# KiCad board dilemma.kicad_pcb
title: dilemma; rev: 2; company: bastardkb
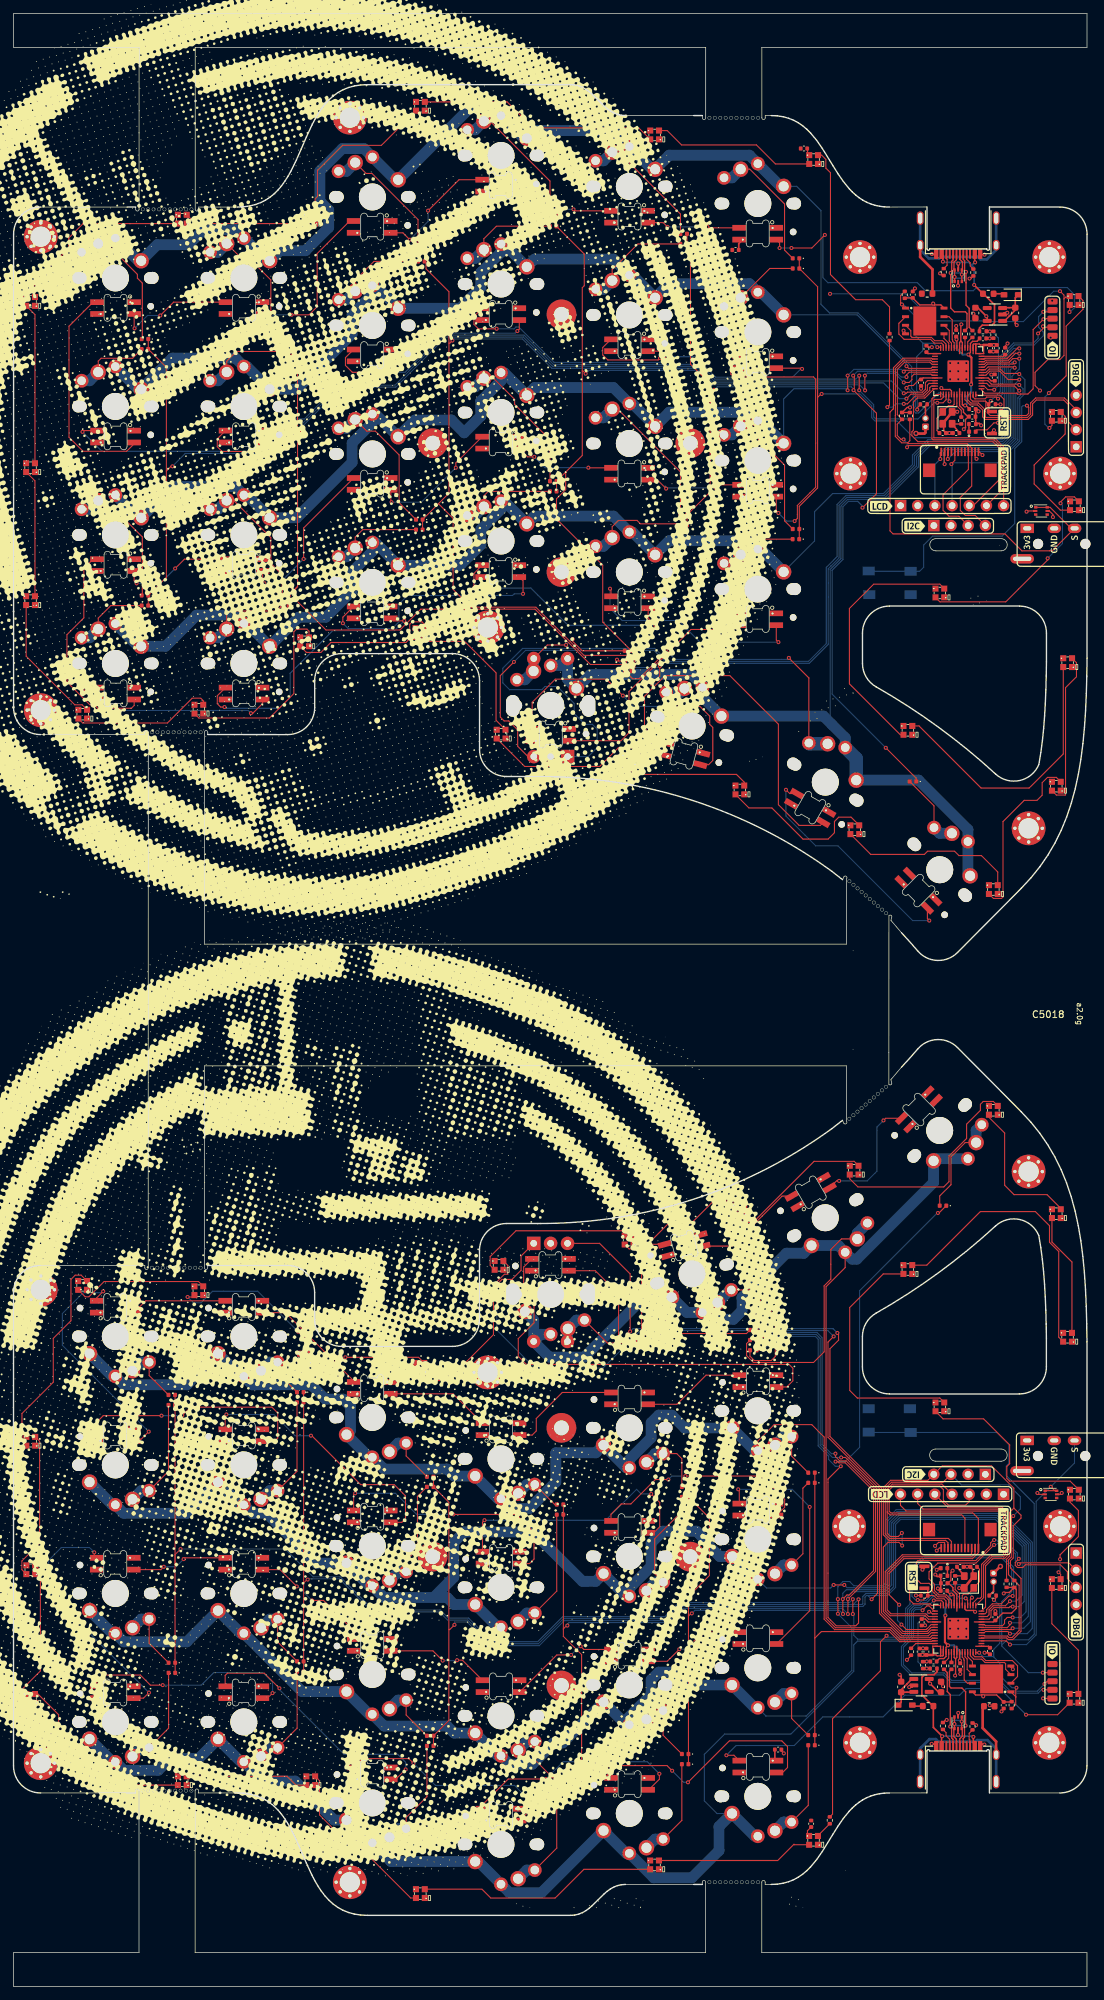
[diagram p0: board, top side]
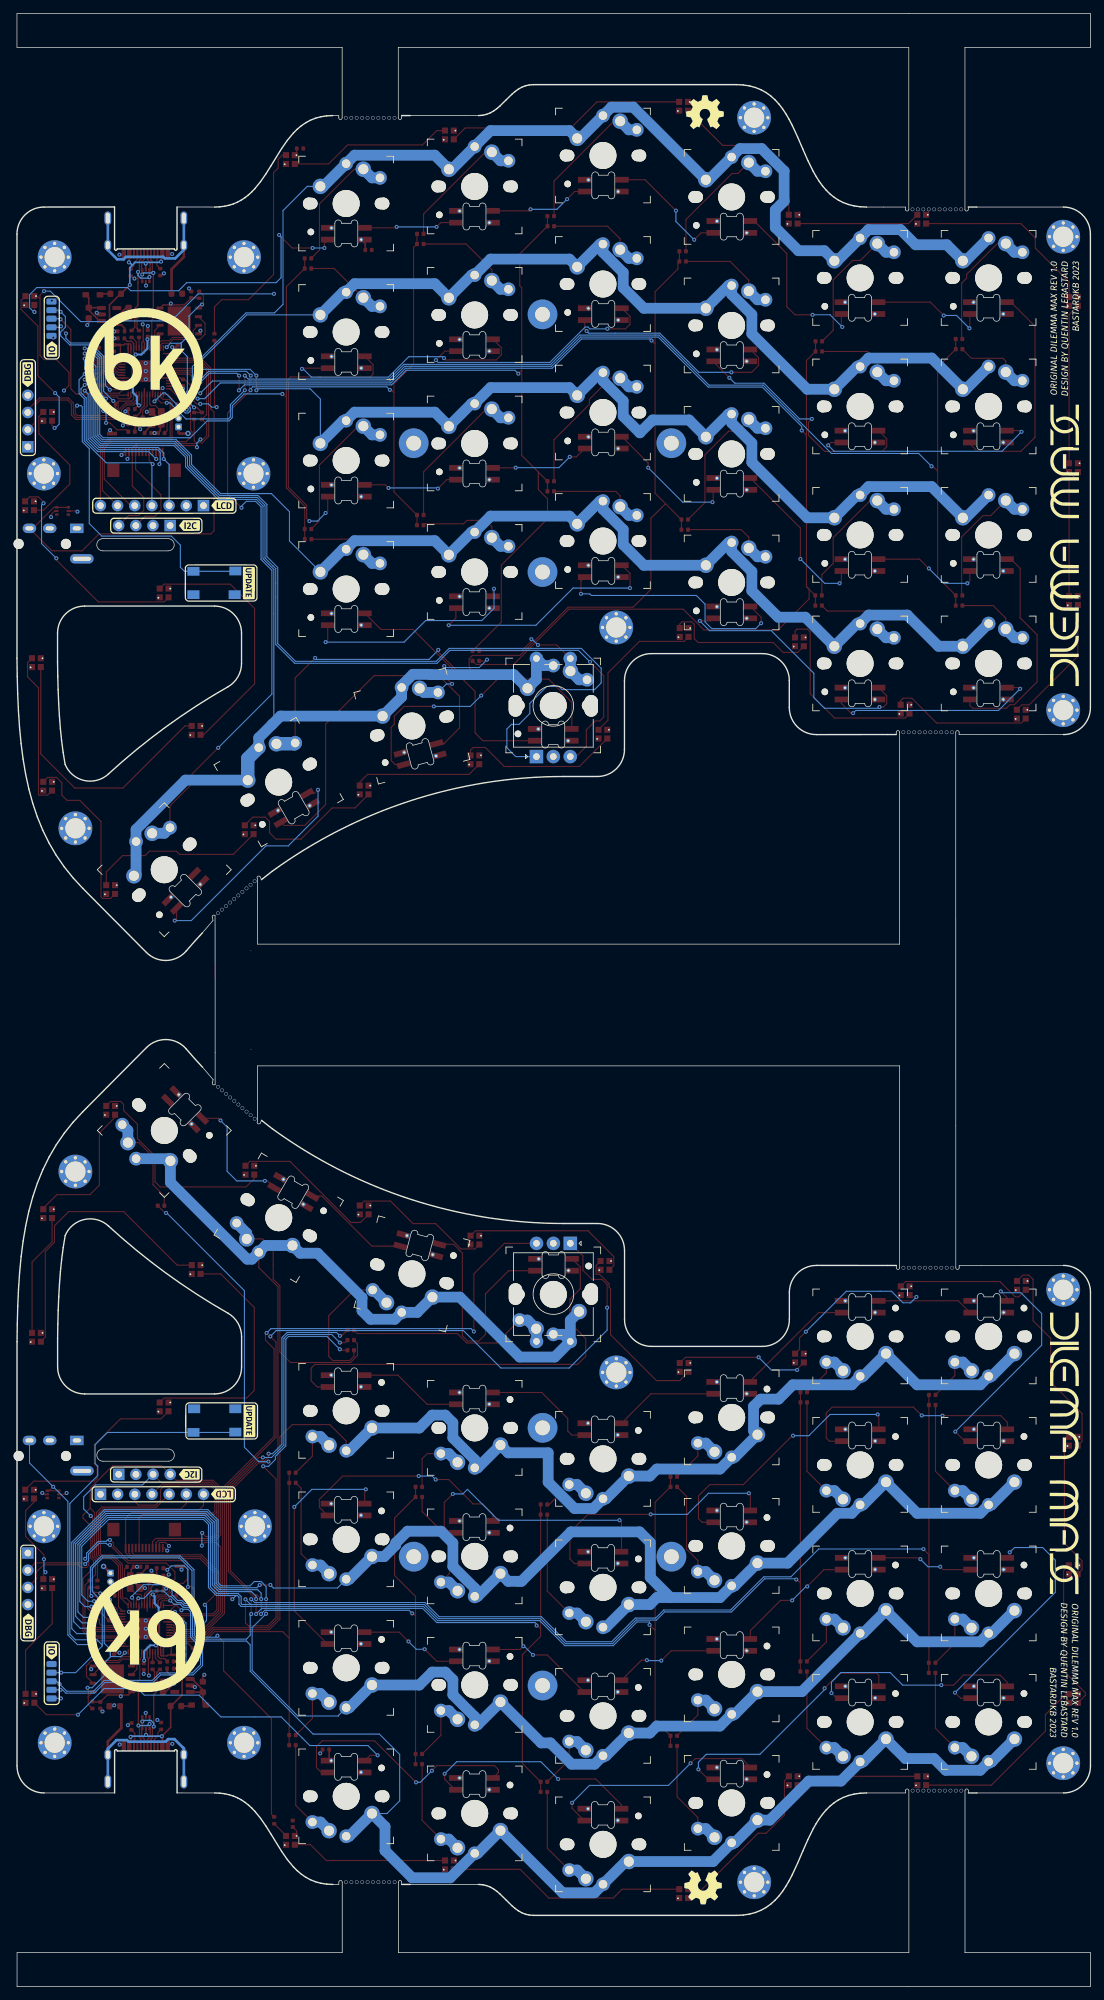
[diagram p1: board, bottom side, seen from below]

Outline 158.74 x 291.72 mm; copper layers: Top, In1.Cu, In2.Cu, Bottom. Coordinates in mm from the lower left corner of the outline.
Outline path: circle c19.11,28.95 r0.25 ; circle c19.12,262.76 r0.25 ; circle c19.91,28.95 r0.25 ; circle c19.92,262.76 r0.25 ; circle c20.46,106.27 r0.25 ; circle c20.47,185.44 r0.25 ; circle c20.71,28.95 r0.25 ; circle c20.72,262.76 r0.25 ; circle c21.26,106.27 r0.25 ; circle c21.27,185.44 r0.25 ; circle c21.51,28.95 r0.25 ; circle c21.52,262.76 r0.25 ; circle c22.06,106.27 r0.25 ; circle c22.07,185.44 r0.25 ; circle c22.31,28.95 r0.25 ; circle c22.32,262.76 r0.25 ; circle c22.86,106.27 r0.25 ; circle c22.87,185.44 r0.25 ; circle c23.11,28.95 r0.25 ; circle c23.12,262.76 r0.25 ; circle c23.66,106.27 r0.25 ; circle c23.67,185.44 r0.25 ; circle c23.91,28.95 r0.25 ; circle c23.92,262.76 r0.25 ; circle c24.46,106.27 r0.25 ; circle c24.47,185.44 r0.25 ; circle c24.71,28.95 r0.25 ; circle c24.72,262.76 r0.25 ; circle c25.26,106.27 r0.25 ; circle c25.27,185.44 r0.25 ; circle c25.51,28.95 r0.25 ; circle c25.52,262.76 r0.25 ; circle c26.06,106.27 r0.25 ; circle c26.07,185.44 r0.25 ; circle c26.31,28.95 r0.25 ; circle c26.32,262.76 r0.25 ; circle c26.86,106.27 r0.25 ; circle c26.87,185.44 r0.25 ; circle c27.66,106.27 r0.25 ; circle c27.67,185.44 r0.25 ; circle c102.9,15.42 r0.25 ; circle c102.91,276.29 r0.25 ; circle c103.7,15.42 r0.25 ; circle c103.71,276.29 r0.25 ; circle c104.5,15.42 r0.25 ; circle c104.51,276.29 r0.25 ; circle c105.3,15.42 r0.25 ; circle c105.31,276.29 r0.25 ; circle c106.1,15.42 r0.25 ; circle c106.11,276.29 r0.25 ; circle c106.9,15.42 r0.25 ; circle c106.91,276.29 r0.25 ; circle c107.7,15.42 r0.25 ; circle c107.71,276.29 r0.25 ; circle c108.5,15.42 r0.25 ; circle c108.51,276.29 r0.25 ; circle c109.3,15.42 r0.25 ; circle c109.31,276.29 r0.25 ; circle c110.1,15.42 r0.25 ; circle c110.11,276.29 r0.25 ; circle c123.59,128.3 r0.25 ; circle c123.6,163.42 r0.25 ; circle c124.19,128.82 r0.25 ; circle c124.2,162.89 r0.25 ; circle c124.79,129.35 r0.25 ; circle c124.8,162.37 r0.25 ; circle c125.4,129.87 r0.25 ; circle c125.41,161.84 r0.25 ; circle c126,130.4 r0.25 ; circle c126.01,161.32 r0.25 ; circle c126.61,130.92 r0.25 ; circle c126.62,160.79 r0.25 ; circle c127.21,131.45 r0.25 ; circle c127.22,160.27 r0.25 ; circle c127.81,131.97 r0.25 ; circle c127.82,159.74 r0.25 ; circle c128.42,132.5 r0.25 ; circle c128.43,159.22 r0.25 ; circle c129.02,133.02 r0.25 ; circle c129.03,158.69 r0.25 ; 0,102.61 0,32.61 arc(1.17,29.78) 4,28.61 16.8,28.62 18.06,28.62 18.06,28.95 arc(18.31,29.2) 18.56,28.95 18.56,5 0,5 0,0 158.73,0 158.73,5 110.65,5 110.65,15.42 arc(110.9,15.67) 111.15,15.42 111.15,15.09 112.04,15.09 112.95,15.13 113.8,15.26 114.6,15.48 115.34,15.78 116.03,16.15 116.68,16.6 117.29,17.11 117.86,17.67 118.76,18.76 119.59,19.96 121.16,22.5 121.92,23.71 122.71,24.86 123.57,25.91 124.03,26.39 124.51,26.83 125.02,27.23 125.55,27.58 126.12,27.89 126.72,28.15 127.36,28.35 128.03,28.5 128.74,28.58 129.49,28.61 135.06,28.62 135.06,34.82 arc(135.26,35.02) 135.46,34.82 143.9,34.82 arc(144.1,35.02) 144.3,34.82 144.3,28.62 154.73,28.61 arc(157.56,29.78) 158.73,32.61 158.73,95.32 158.69,97.98 158.63,100.56 158.51,103.08 158.35,105.54 158.13,107.92 157.83,110.23 157.45,112.48 156.97,114.66 156.4,116.77 155.71,118.81 154.9,120.79 153.98,122.66 152.93,124.45 151.75,126.15 150.45,127.78 149.01,129.33 139.58,138.83 arc(136.59,140.01) 133.7,138.6 arc(132.52,137.25) 131.31,135.93 129.74,134.09 129.81,133.71 arc(129.79,133.36) 129.44,133.38 129.44,138.11 129.45,158.33 arc(129.8,158.36) 129.82,158 129.75,157.63 131.32,155.78 arc(132.53,154.46) 133.71,153.11 arc(136.6,151.71) 139.59,152.89 149.02,162.38 150.46,163.94 151.76,165.56 152.94,167.26 153.99,169.05 154.91,170.93 155.72,172.9 156.41,174.95 156.98,177.06 157.46,179.24 157.84,181.48 158.14,183.8 158.36,186.18 158.52,188.63 158.64,191.15 158.7,193.74 158.74,196.4 158.74,259.1 arc(157.57,261.93) 154.74,263.1 144.31,263.11 144.31,256.91 arc(144.11,256.71) 143.91,256.91 135.47,256.91 arc(135.27,256.71) 135.07,256.91 135.07,263.11 129.5,263.1 128.75,263.13 128.04,263.22 127.37,263.37 126.73,263.57 126.13,263.82 125.56,264.13 125.03,264.49 124.52,264.89 124.04,265.33 123.58,265.81 122.72,266.86 121.93,268.01 121.17,269.21 119.6,271.76 118.77,272.95 117.87,274.04 117.3,274.61 116.69,275.12 116.04,275.56 115.35,275.94 114.61,276.24 113.81,276.45 112.96,276.58 112.05,276.63 111.16,276.63 111.16,276.29 arc(110.91,276.04) 110.66,276.29 110.66,286.72 158.74,286.72 158.74,291.72 0.01,291.72 0.01,286.72 18.57,286.72 18.57,262.76 arc(18.32,262.51) 18.07,262.76 18.07,263.1 16.81,263.1 4.01,263.1 arc(1.18,261.93) 0.01,259.1 0.01,189.1 arc(1.18,186.27) 4.01,185.1 16.18,185.11 19.42,185.11 19.42,185.44 arc(19.67,185.69) 19.92,185.44 19.91,127.23 19.91,106.27 arc(19.66,106.02) 19.41,106.27 19.41,106.61 16.17,106.61 4,106.61 arc(1.17,105.44) 0,102.61 ; 26.86,28.95 arc(27.11,29.2) 27.36,28.95 27.36,28.62 33.1,28.61 34.05,28.57 34.94,28.45 35.77,28.24 36.54,27.95 37.26,27.59 37.92,27.15 38.53,26.65 39.1,26.09 39.63,25.47 40.11,24.79 40.57,24.07 41,23.32 41.79,21.72 42.53,20.05 43.3,18.24 44.12,16.48 44.56,15.64 45.02,14.84 45.52,14.09 46.06,13.39 46.64,12.75 47.28,12.18 47.96,11.68 48.71,11.27 49.52,10.94 50.4,10.71 51.34,10.56 52.36,10.51 82.37,10.51 82.99,10.56 83.56,10.69 84.1,10.91 84.61,11.2 85.09,11.54 85.55,11.94 87.31,13.67 87.76,14.06 88.24,14.41 88.75,14.69 89.29,14.91 89.87,15.04 90.48,15.09 100.59,15.09 101.85,15.09 101.85,15.42 arc(102.1,15.67) 102.35,15.42 102.35,5 26.86,5 26.86,28.95 ; 26.87,262.76 26.87,286.72 102.36,286.72 102.36,276.29 arc(102.11,276.04) 101.86,276.29 101.86,276.63 100.6,276.63 90.49,276.63 89.88,276.67 89.3,276.81 88.76,277.02 88.25,277.31 87.77,277.66 87.32,278.05 85.56,279.78 85.1,280.17 84.62,280.52 84.11,280.81 83.57,281.02 83,281.16 82.38,281.2 52.37,281.2 51.35,281.15 50.41,281.01 49.53,280.77 48.72,280.44 47.97,280.03 47.29,279.54 46.65,278.97 46.07,278.33 45.53,277.63 45.03,276.87 44.57,276.07 44.13,275.23 43.31,273.48 42.54,271.67 41.8,270 41.01,268.4 40.58,267.64 40.12,266.92 39.64,266.25 39.11,265.63 38.54,265.06 37.93,264.56 37.27,264.13 36.55,263.76 35.78,263.48 34.95,263.27 34.06,263.14 33.11,263.1 30.61,263.1 27.37,263.1 27.37,262.76 arc(27.12,262.51) 26.87,262.76 ; 28.21,154.12 123.17,154.12 123.18,163.78 arc(123.16,164.13) 122.8,164.11 122.58,163.65 121,164.89 arc(100.56,175.31) 77.9,178.9 72.91,178.9 arc(70.08,180.08) 68.91,182.9 68.91,193.08 arc(67.74,195.91) 64.91,197.08 48.54,197.08 arc(45.71,195.91) 44.54,193.08 44.54,189.1 arc(43.36,186.27) 40.54,185.1 29.98,185.11 28.72,185.11 28.72,185.44 arc(28.47,185.69) 28.22,185.44 28.21,154.12 ; 28.21,136.12 28.21,106.27 arc(28.46,106.02) 28.71,106.27 28.71,106.61 29.97,106.61 40.53,106.61 arc(43.35,105.44) 44.53,102.61 44.53,98.64 arc(45.7,95.81) 48.53,94.64 64.9,94.64 arc(67.73,95.81) 68.9,98.64 68.9,108.81 arc(70.07,111.64) 72.9,112.81 77.89,112.81 arc(100.55,116.4) 120.99,126.82 122.57,128.06 122.79,127.61 arc(123.15,127.58) 123.17,127.94 123.17,136.12 28.21,136.12 ; 125.53,96.08 arc(126.07,98.09) 127.54,99.56 arc(136.74,105.5) 145.21,112.45 arc(148.78,113.4) 151.61,111.02 151.91,109.23 152.14,107.45 152.32,105.68 152.46,103.85 152.56,101.95 152.64,99.99 152.7,97.96 152.73,95.87 152.73,91.61 arc(151.56,88.78) 148.73,87.61 129.53,87.61 arc(126.7,88.78) 125.53,91.61 125.53,96.08 ; 125.54,200.1 arc(126.71,202.93) 129.54,204.1 148.74,204.1 arc(151.57,202.93) 152.74,200.1 152.74,195.84 152.71,193.76 152.65,191.73 152.57,189.76 152.47,187.86 152.33,186.03 152.15,184.26 151.92,182.48 151.62,180.69 arc(148.79,178.31) 145.22,179.27 arc(136.75,186.21) 127.55,192.16 arc(126.08,193.63) 125.54,195.63 125.54,200.1 ; 136.37,77.67 arc(135.47,78.57) 136.37,79.47 146.03,79.47 arc(146.93,78.57) 146.03,77.66 136.37,77.67 ; 136.39,214.07 146.04,214.07 arc(146.94,213.17) 146.04,212.27 136.39,212.27 arc(135.49,213.17) 136.39,214.07
Stack: Top 0.035mm / dielectric 1.11mm FR4 er 4.5 / In1.Cu 0.035mm / dielectric 1.51mm FR4 er 4.5 / In2.Cu 0.035mm / dielectric 1.51mm FR4 er 4.5 / Bottom 0.035mm

## Placement (name value [footprint] x y rotation side)
C1  1µ  [C_0603_1608Metric]  148.13 247.45 270 top
C2  1µ  [C_0603_1608Metric]  142.23 247.44 270 top
C3  15p  [C_0402_1005Metric]  137.39 229.68 0 top
C4  15p  [C_0402_1005Metric]  139.39 229.68 180 top
C5  1µ  [C_0402_1005Metric]  145.39 242.23 270 top
C6  1µ  [C_0402_1005Metric]  143.34 243.68 0 top
C7  100n  [C_0402_1005Metric]  139.39 244.43 90 top
C8  100n  [C_0402_1005Metric]  141.79 233.22 0 top
C9  100n  [C_0402_1005Metric]  134.19 237.13 270 top
C10  100n  [C_0402_1005Metric]  132.97 250.15 90 top
C11  100n  [C_0402_1005Metric]  144.39 242.23 270 top
C12  100n  [C_0402_1005Metric]  134.99 242.13 90 top
C13  100n  [C_0402_1005Metric]  145.09 237.88 90 top
C14  100n  [C_0402_1005Metric]  141.77 232.11 0 top
C5001  1µ  [C_0603_1608Metric]  131.25 44.29 90 top
C5002  1µ  [C_0603_1608Metric]  137.15 44.3 90 top
C5003  1µ  [C_0402_1005Metric]  133.99 49.5 90 top
C5004  1µ  [C_0402_1005Metric]  136.04 48.05 180 top
C5005  15p  [C_0402_1005Metric]  141.99 62.05 180 top
C5006  100n  [C_0402_1005Metric]  139.99 47.3 270 top
C5007  100n  [C_0402_1005Metric]  137.59 58.51 180 top
C5008  15p  [C_0402_1005Metric]  139.99 62.05 0 top
C5009  100n  [C_0402_1005Metric]  145.19 54.6 90 top
C5010  100n  [C_0402_1005Metric]  146.41 41.59 270 top
C5011  100n  [C_0402_1005Metric]  134.99 49.5 90 top
C5012  100n  [C_0402_1005Metric]  144.39 49.6 270 top
C5013  100n  [C_0402_1005Metric]  134.29 53.85 270 top
C5014  100n  [C_0402_1005Metric]  137.61 59.63 180 top
C5015  1µ  [C_0402_1005Metric]  116.88 271.76 180 top
C5016  1µ  [C_0402_1005Metric]  117.95 24.06 90 top
C5017  1µ  [C_0402_1005Metric]  106.76 256.76 180 top
C5018  1µ  [C_0402_1005Metric]  113.06 35.03 0 top
D1  LED  [LED_0402_1005Metric]  141.79 229.89 0 top
D2  B5817  [D_SOD-323]  147.52 250.13 180 top
D3  SK6805-EC15  [LED_SK6805-EC15_1.5x1.5mm_P0.6mm_handsolder]  118.31 270.13 180 top
D4  SK6805-EC15  [LED_SK6805-EC15_1.5x1.5mm_P0.6mm_handsolder]  60.09 200.2 180 top
D7  SK6805-EC15  [LED_SK6805-EC15_1.5x1.5mm_P0.6mm_handsolder]  94.8 273.76 180 top
D8  SK6805-EC15  [LED_SK6805-EC15_1.5x1.5mm_P0.6mm_handsolder]  72.1 185.17 180 top
D9  SK6805-EC15  [LED_SK6805-EC15_1.5x1.5mm_P0.6mm_handsolder]  107.4 176.91 180 top
D11  SK6805-EC15  [LED_SK6805-EC15_1.5x1.5mm_P0.6mm_handsolder]  60.17 278 180 top
D12  SK6805-EC15  [LED_SK6805-EC15_1.5x1.5mm_P0.6mm_handsolder]  91.03 181.37 180 top
D15  SK6805-EC15  [LED_SK6805-EC15_1.5x1.5mm_P0.6mm_handsolder]  43.96 261.31 180 top
D16  SK6805-EC15  [LED_SK6805-EC15_1.5x1.5mm_P0.6mm_handsolder]  124.4 171.04 180 top
D18  SK6805-EC15  [LED_SK6805-EC15_1.5x1.5mm_P0.6mm_handsolder]  2.52 249.15 180 top
D19  SK6805-EC15  [LED_SK6805-EC15_1.5x1.5mm_P0.6mm_handsolder]  144.89 162.19 180 top
D21  SK6805-EC15  [LED_SK6805-EC15_1.5x1.5mm_P0.6mm_handsolder]  2.52 204.91 180 top
D22  SK6805-EC15  [LED_SK6805-EC15_1.5x1.5mm_P0.6mm_handsolder]  154.2 177.47 180 top
D24  SK6805-EC15  [LED_SK6805-EC15_1.5x1.5mm_P0.6mm_handsolder]  10.23 188.12 180 top
D25  SK6805-EC15  [LED_SK6805-EC15_1.5x1.5mm_P0.6mm_handsolder]  156.88 218.94 180 top
D27  SK6805-EC15  [LED_SK6805-EC15_1.5x1.5mm_P0.6mm_handsolder]  43.04 198.82 180 top
D28  SK6805-EC15  [LED_SK6805-EC15_1.5x1.5mm_P0.6mm_handsolder]  154.2 232.16 180 top
D112  D_matrix  [D_0402]  99.1 216.07 180 top
D115  D_matrix  [D_0402]  115.69 213.99 180 top
D5001  LED  [LED_0402_1005Metric]  137.59 61.85 180 top
D5002  D_matrix  [D_0402]  42.41 48.07 180 top
D5003  D_matrix  [D_0402]  42.4 87.87 180 top
D5004  B5817  [D_SOD-323]  131.86 41.61 0 top
D5005  D_matrix  [D_0402]  61.61 37.07 180 top
D5006  D_matrix  [D_0402]  61.61 75.37 180 top
D5007  D_matrix  [D_0402]  80.81 30.27 180 top
D5008  D_matrix  [D_0402]  80.81 71.27 180 top
D5009  D_matrix  [D_0402]  99.31 73.87 180 top
D5010  D_matrix  [D_0402]  99.31 34.37 180 top
D5011  D_matrix  [D_0402]  118 75.97 180 top
D5012  D_matrix  [D_0402]  118 37.17 180 top
D5013  SK6805-EC15  [LED_SK6805-EC15_1.5x1.5mm_P0.6mm_handsolder]  118.3 21.61 180 top
D5014  SK6805-EC15  [LED_SK6805-EC15_1.5x1.5mm_P0.6mm_handsolder]  60.08 91.54 180 top
D5015  D_matrix  [D_0402]  133 178.17 180 top
D5016  SK6805-EC15  [LED_SK6805-EC15_1.5x1.5mm_P0.6mm_handsolder]  94.79 17.98 180 top
D5017  SK6805-EC15  [LED_SK6805-EC15_1.5x1.5mm_P0.6mm_handsolder]  71.79 106.62 180 top
D5018  SK6805-EC15  [LED_SK6805-EC15_1.5x1.5mm_P0.6mm_handsolder]  60.16 13.73 180 top
D5019  SK6805-EC15  [LED_SK6805-EC15_1.5x1.5mm_P0.6mm_handsolder]  91.02 110.36 180 top
D5020  SK6805-EC15  [LED_SK6805-EC15_1.5x1.5mm_P0.6mm_handsolder]  43.95 30.43 180 top
D5021  SK6805-EC15  [LED_SK6805-EC15_1.5x1.5mm_P0.6mm_handsolder]  107.39 114.82 180 top
D5022  SK6805-EC15  [LED_SK6805-EC15_1.5x1.5mm_P0.6mm_handsolder]  2.52 42.59 180 top
D5023  SK6805-EC15  [LED_SK6805-EC15_1.5x1.5mm_P0.6mm_handsolder]  124.3 120.7 180 top
D5024  SK6805-EC15  [LED_SK6805-EC15_1.5x1.5mm_P0.6mm_handsolder]  10.21 103.66 180 top
D5025  SK6805-EC15  [LED_SK6805-EC15_1.5x1.5mm_P0.6mm_handsolder]  144.89 129.55 180 top
D5026  SK6805-EC15  [LED_SK6805-EC15_1.5x1.5mm_P0.6mm_handsolder]  27.4 102.88 180 top
D5027  SK6805-EC15  [LED_SK6805-EC15_1.5x1.5mm_P0.6mm_handsolder]  154.2 114.27 180 top
D5028  SK6805-EC15  [LED_SK6805-EC15_1.5x1.5mm_P0.6mm_handsolder]  43.03 92.92 180 top
D5029  SK6805-EC15  [LED_SK6805-EC15_1.5x1.5mm_P0.6mm_handsolder]  156.87 72.8 180 top
D5030  SK6805-EC15  [LED_SK6805-EC15_1.5x1.5mm_P0.6mm_handsolder]  154.19 59.58 180 top
D5031  SK6812MINI  [SK6812_mini_e_corners]  110.04 240.06 180 top
D5032  SK6812MINI  [SK6812_mini_e_corners]  91.09 223.57 180 top
D5033  SK6812MINI  [SK6812_mini_e_corners]  117.75 174.17 150 top
D5034  SK6812MINI  [SK6812_mini_e_corners]  91.09 242.57 180 top
D5035  SK6812MINI  [SK6812_mini_e_corners]  110.04 221.06 180 top
D5036  SK6812MINI  [SK6812_mini_e_corners]  72.04 247.17 180 top
D5037  SK6812MINI  [SK6812_mini_e_corners]  110.04 202.06 180 top
D5038  SK6812MINI  [SK6812_mini_e_corners]  53.04 241.07 180 top
D5039  SK6812MINI  [SK6812_mini_e_corners]  91.09 204.57 180 top
D5040  SK6812MINI  [SK6812_mini_e_corners]  34.09 229.07 180 top
D5041  SK6812MINI  [SK6812_mini_e_corners]  72.04 209.17 180 top
D5042  SK6812MINI  [SK6812_mini_e_corners]  34.09 210.07 180 top
D5043  SK6812MINI  [SK6812_mini_e_corners]  53.04 203.07 180 top
D5044  SK6812MINI  [SK6812_mini_e_corners]  53.04 222.07 180 top
D5045  SK6812MINI  [SK6812_mini_e_corners]  34.09 191.07 180 top
D5046  SK6812MINI  [SK6812_mini_e_corners]  72.04 228.17 180 top
D5047  SK6812MINI  [SK6812_mini_e_corners]  79.44 184.97 180 top
D5048  SK6812MINI  [SK6812_mini_e_corners]  99.1 182.12 165 top
D5049  SK6812MINI  [SK6812_mini_e_corners]  110.07 51.62 0 top
D5050  SK6812MINI  [SK6812_mini_e_corners]  91.09 68.06 0 top
D5051  SK6812MINI  [SK6812_mini_e_corners]  117.82 117.57 30 top
D5052  SK6812MINI  [SK6812_mini_e_corners]  91.09 49.06 0 top
D5053  SK6812MINI  [SK6812_mini_e_corners]  110.07 70.62 0 top
D5054  SK6812MINI  [SK6812_mini_e_corners]  72.09 44.51 0 top
D5055  SK6812MINI  [SK6812_mini_e_corners]  110.07 89.62 0 top
D5056  SK6812MINI  [SK6812_mini_e_corners]  53.04 50.61 0 top
D5057  SK6812MINI  [SK6812_mini_e_corners]  91.09 87.06 0 top
D5058  SK6812MINI  [SK6812_mini_e_corners]  34.04 62.61 0 top
D5059  SK6812MINI  [SK6812_mini_e_corners]  72.09 82.51 0 top
D5060  SK6812MINI  [SK6812_mini_e_corners]  34.04 81.61 0 top
D5061  SK6812MINI  [SK6812_mini_e_corners]  53.04 88.61 0 top
D5062  SK6812MINI  [SK6812_mini_e_corners]  53.04 69.61 0 top
D5063  SK6812MINI  [SK6812_mini_e_corners]  34.04 100.61 0 top
D5064  SK6812MINI  [SK6812_mini_e_corners]  72.09 63.51 0 top
D5065  SK6812MINI  [SK6812_mini_e_corners]  79.39 106.81 0 top
D5066  SK6812MINI  [SK6812_mini_e_corners]  99.14 109.7 15 top
D5067  D_matrix  [D_0402]  40.17 241.75 180 top
D5068  D_matrix  [D_0402]  40.21 205.68 180 top
D5069  D_matrix  [D_0402]  40.2 204.18 180 top
D5070  D_matrix  [D_0402]  90.88 195.99 180 top
D5071  D_matrix  [D_0402]  60.3 255.07 180 top
D5072  D_matrix  [D_0402]  60 216.9 180 top
D5073  D_matrix  [D_0402]  60 215.4 180 top
D5074  D_matrix  [D_0402]  90.88 194.49 180 top
D5075  D_matrix  [D_0402]  79.8 260.27 180 top
D5076  D_matrix  [D_0402]  79.81 222.57 180 top
D5077  D_matrix  [D_0402]  99.1 257.64 180 top
D5078  D_matrix  [D_0402]  99.1 217.57 180 top
D5079  D_matrix  [D_0402]  115.71 254.02 180 top
D5080  D_matrix  [D_0402]  115.71 215.49 180 top
D5081  D_matrix  [D_0402]  79.81 221.07 180 top
D5082  D_matrix  [D_0402]  90.87 197.49 180 top
D5083  D_matrix  [D_0402]  42.4 86.37 180 top
D5084  D_matrix  [D_0402]  109.38 94.07 180 top
D5085  D_matrix  [D_0402]  109.38 95.57 180 top
D5086  D_matrix  [D_0402]  61.61 73.87 180 top
D5087  D_matrix  [D_0402]  80.81 69.77 180 top
D5088  D_matrix  [D_0402]  109.38 97.07 180 top
D5089  D_matrix  [D_0402]  99.31 72.37 180 top
D5090  D_matrix  [D_0402]  118 74.47 180 top
D5091  D_matrix  [D_0402]  40.17 243.25 180 top
D5092  D_matrix  [D_0402]  60.3 256.57 180 top
D5093  D_matrix  [D_0402]  79.81 261.77 180 top
D5094  D_matrix  [D_0402]  99.1 259.14 180 top
D5095  D_matrix  [D_0402]  115.71 255.52 180 top
D5096  D_matrix  [D_0402]  19.43 204.18 180 top
D5097  D_matrix  [D_0402]  19.43 243.59 180 top
D5098  D_matrix  [D_0402]  19.43 242.09 180 top
D5099  D_matrix  [D_0402]  19.43 205.68 180 top
D5100  D_matrix  [D_0402]  23.4 87.47 180 top
D5101  D_matrix  [D_0402]  23.41 47.87 180 top
D5102  D_matrix  [D_0402]  23.4 85.97 180 top
D5103  D_matrix  [D_0402]  42.41 46.57 180 top
D5104  D_matrix  [D_0402]  61.61 35.57 180 top
D5105  D_matrix  [D_0402]  80.81 28.77 180 top
D5106  D_matrix  [D_0402]  99.31 32.87 180 top
D5107  D_matrix  [D_0402]  118 35.67 180 top
D5108  D_matrix  [D_0402]  23.41 46.37 180 top
D5109  SK6805-EC15  [LED_SK6805-EC15_1.5x1.5mm_P0.6mm_handsolder]  156.83 249.28 180 top
D5110  SK6805-EC15  [LED_SK6805-EC15_1.5x1.5mm_P0.6mm_handsolder]  24.96 261.31 180 top
D5111  SK6805-EC15  [LED_SK6805-EC15_1.5x1.5mm_P0.6mm_handsolder]  2.52 224.57 180 top
D5112  SK6805-EC15  [LED_SK6805-EC15_1.5x1.5mm_P0.6mm_handsolder]  27.41 188.86 180 top
D5113  SK6805-EC15  [LED_SK6805-EC15_1.5x1.5mm_P0.6mm_handsolder]  156.81 42.61 180 top
D5114  SK6805-EC15  [LED_SK6805-EC15_1.5x1.5mm_P0.6mm_handsolder]  24.95 30.43 180 top
D5115  SK6805-EC15  [LED_SK6805-EC15_1.5x1.5mm_P0.6mm_handsolder]  2.55 61.62 180 top
D5116  SK6805-EC15  [LED_SK6805-EC15_1.5x1.5mm_P0.6mm_handsolder]  2.55 80.62 180 top
D5117  SK6812MINI  [SK6812_mini_e_corners]  110.04 259.06 180 top
D5118  SK6812MINI  [SK6812_mini_e_corners]  15.09 248.07 180 top
D5119  SK6812MINI  [SK6812_mini_e_corners]  34.09 248.07 180 top
D5120  SK6812MINI  [SK6812_mini_e_corners]  53.04 260.07 180 top
D5121  SK6812MINI  [SK6812_mini_e_corners]  72.04 266.17 180 top
D5122  SK6812MINI  [SK6812_mini_e_corners]  91.09 261.57 180 top
D5123  SK6812MINI  [SK6812_mini_e_corners]  15.09 229.07 180 top
D5124  SK6812MINI  [SK6812_mini_e_corners]  15.09 210.07 180 top
D5125  SK6812MINI  [SK6812_mini_e_corners]  15.09 191.07 180 top
D5126  D_matrix  [D_0402]  137.44 115.45 180 top
D5127  SK6812MINI  [SK6812_mini_e_corners]  133.74 161.94 135 top
D5128  SK6812MINI  [SK6812_mini_e_corners]  110.07 32.62 0 top
D5129  SK6812MINI  [SK6812_mini_e_corners]  91.09 30.06 0 top
D5130  SK6812MINI  [SK6812_mini_e_corners]  72.09 25.51 0 top
D5131  SK6812MINI  [SK6812_mini_e_corners]  53.04 31.61 0 top
D5132  SK6812MINI  [SK6812_mini_e_corners]  34.04 43.61 0 top
D5133  SK6812MINI  [SK6812_mini_e_corners]  15.04 43.61 0 top
D5134  SK6812MINI  [SK6812_mini_e_corners]  15.04 62.61 0 top
D5135  SK6812MINI  [SK6812_mini_e_corners]  15.04 81.61 0 top
D5136  SK6812MINI  [SK6812_mini_e_corners]  15.04 100.61 0 top
D5137  SK6812MINI  [SK6812_mini_e_corners]  133.81 129.77 45 top
D5138  SK6805-EC15  [LED_SK6805-EC15_1.5x1.5mm_P0.6mm_handsolder]  155.87 195.74 180 top
D5139  SK6805-EC15  [LED_SK6805-EC15_1.5x1.5mm_P0.6mm_handsolder]  132.25 185.73 180 top
D5140  SK6805-EC15  [LED_SK6805-EC15_1.5x1.5mm_P0.6mm_handsolder]  136.98 206.04 180 top
D5141  SK6805-EC15  [LED_SK6805-EC15_1.5x1.5mm_P0.6mm_handsolder]  155.86 95.99 180 top
D5142  SK6805-EC15  [LED_SK6805-EC15_1.5x1.5mm_P0.6mm_handsolder]  132.24 106.01 180 top
D5143  SK6805-EC15  [LED_SK6805-EC15_1.5x1.5mm_P0.6mm_handsolder]  136.98 85.7 180 top
F1  Polyfuse  [Fuse_0603_1608Metric]  144.14 250.28 0 top
F5001  Polyfuse  [Fuse_0603_1608Metric]  135.24 41.46 180 top
FB1  FerriteBead_Small  [L_0603_1608Metric]  135.1 250.3 0 top
FB5001  FerriteBead_Small  [L_0603_1608Metric]  144.28 41.44 180 top
G***  -  [LOGO]  47.94 86.76 270 top
G***#2  -  [LOGO]  145.95 145.84 0 top
G***#3  -  [LOGO]  38.25 494.29 180 top
G***#4  -  [LOGO]  44.41 227.05 305 top
G***#5  -  [LOGO]  39.14 589.3 0 top
G***#6  -  [LOGO]  79.76 145.9 180 bottom
G***#7  -  [LOGO]  140.3 613.62 180 bottom
H101  NA_M4  [MountingHole_3mm_Pad_Via]  49.74 276.32 0 top
H102  NA_M4  [MountingHole_3mm_Pad_Via]  150.1 171.24 0 top
H104  NA_M4  [MountingHole_3mm_Pad_Via]  70.13 200.94 0 top
H105  NA_M4  [MountingHole_3mm_Pad_Via]  153.17 255.7 0 top
H106  NA_M4  [MountingHole_3mm_Pad_Via]  123.77 223.7 0 top
H107  NA_M4  [MountingHole_3mm_Pad_Via]  154.77 223.7 0 top
H108  NA_M4  [MountingHole_3mm_Pad_Via]  125.17 255.7 0 top
H111  NA_Mount  [Tenting_Puck]  81.03 228.19 0 top
H5001  NA_M4  [MountingHole_3mm_Pad_Via]  49.73 15.42 0 bottom
H5002  NA_M4  [MountingHole_3mm_Pad_Via]  150.1 120.49 0 bottom
H5003  NA_M4  [MountingHole_3mm_Pad_Via]  70.12 90.79 0 bottom
H5004  NA_M4  [MountingHole_3mm_Pad_Via]  153.16 36.04 0 bottom
H5005  NA_M4  [MountingHole_3mm_Pad_Via]  123.56 68.04 180 top
H5006  NA_M4  [MountingHole_3mm_Pad_Via]  154.76 68.04 0 bottom
H5007  NA_M4  [MountingHole_3mm_Pad_Via]  125.16 36.04 0 bottom
H5008  NA_Mount  [Tenting_Puck]  81.02 63.55 0 bottom
H5009  NA_M4  [MountingHole_3mm_Pad_Via]  4.03 188.72 0 top
H5010  NA_M4  [MountingHole_3mm_Pad_Via]  4.03 258.72 0 top
H5011  NA_M4  [MountingHole_3mm_Pad_Via]  4.03 103.02 0 top
H5012  NA_M4  [MountingHole_3mm_Pad_Via]  4.03 33.02 0 top
J1  USB_C_Receptacle_USB2.0  [USB_C_Receptacle_HRO_TYPE-C-31-M-13B]  139.69 263.56 180 top
J3  NA_GC9A01  [PinHeader_1x07_P2.54mm_Vertical]  131.16 218.96 90 top
J4  Conn_01x05  [PinHeader_1x05_P1.27mm_Vertical_SMD]  153.64 249.14 0 top
J5  NA_Conn_01x02  [PinHeader_1x02_P1.27mm_Vertical]  134.84 230.6 180 top
J102  NA_serial  [Jack_3.5mm_PJ320E_Horizontal]  149.9 215.6 270 top
J105  NA_Conn_01x04_Female  [PinHeader_1x04_P2.54mm_Vertical_debug]  157.14 235.27 0 top
J113  Cirque  [FPC-SMD_FPC05012-09200-.5mm]  139.94 225.54 0 top
J5001  USB_C_Receptacle_USB2.0  [USB_C_Receptacle_HRO_TYPE-C-31-M-13B]  139.69 28.18 0 top
J5002  NA_Conn_01x02  [PinHeader_1x02_P1.27mm_Vertical]  144.92 61.12 0 top
J5003  NA_serial  [Jack_3.5mm_PJ320E_Horizontal]  149.89 80.74 270 top
J5004  NA_GC9A01  [PinHeader_1x07_P2.54mm_Vertical]  146.39 72.78 270 top
J5005  NA_Conn_01x04_Female  [PinHeader_1x04_P2.54mm_Vertical_debug]  157.13 56.47 0 bottom
J5007  Cirque  [FPC-SMD_FPC05012-09200-.5mm]  139.93 66.19 180 top
J5008  Conn_01x05  [PinHeader_1x05_P1.27mm_Vertical_SMD]  153.63 42.59 180 top
J5009  Conn_01x05  [PinHeader_1x05_P1.27mm_Vertical_SMD]  153.63 42.59 0 bottom
J5010  Conn_01x05  [PinHeader_1x05_P1.27mm_Vertical_SMD]  153.64 249.13 180 bottom
O101  NA_OLED  [PinHeader_1x04_P2.54mm_Vertical]  136.09 216.01 90 top
O5001  NA_OLED  [PinHeader_1x04_P2.54mm_Vertical]  143.7 75.73 270 top
R1  1k  [R_0402_1005Metric]  141.79 231.01 180 top
R2  10k  [R_0402_1005Metric]  144.69 233.93 0 top
R3  1k  [R_0402_1005Metric]  134.59 233.93 180 top
R4  5.1k  [R_0402_1005Metric]  141.93 253.42 270 top
R5  5.1k  [R_0402_1005Metric]  137.55 253.49 270 top
R6  27  [R_0402_1005Metric]  140.69 244.33 270 top
R7  27  [R_0402_1005Metric]  141.79 244.33 270 top
R8  1k  [R_0402_1005Metric]  140.14 231.53 90 top
R9  10k  [R_0402_1005Metric]  131.79 250.13 270 top
R10  5.1k  [R_0402_1005Metric]  143.34 244.73 180 top
R11  10k  [R_0402_1005Metric]  144.89 244.22 90 top
R101  5.1k  [R_0402_1005Metric_nolabel]  146.64 241.79 90 top
R103  4.7k  [R_0402_1005Metric_nolabel]  132.54 232.22 90 top
R104  4.7k  [R_0402_1005Metric_nolabel]  131.39 232.22 270 top
R5001  1k  [R_0402_1005Metric]  137.59 60.73 0 top
R5002  10k  [R_0402_1005Metric]  134.69 57.8 180 top
R5003  1k  [R_0402_1005Metric]  144.79 57.8 0 top
R5004  5.1k  [R_0402_1005Metric]  141.81 38.45 90 top
R5005  5.1k  [R_0402_1005Metric]  137.43 38.52 90 top
R5006  27  [R_0402_1005Metric]  138.69 47.4 90 top
R5007  27  [R_0402_1005Metric]  137.59 47.4 90 top
R5008  1k  [R_0402_1005Metric]  139.24 60.2 270 top
R5009  5.1k  [R_0402_1005Metric]  136.04 47 0 top
R5010  10k  [R_0402_1005Metric]  134.49 47.51 270 top
R5011  10k  [R_0402_1005Metric]  147.59 41.61 90 top
R5012  5.1k  [R_0402_1005Metric_nolabel]  132.72 49.5 270 top
R5013  4.7k  [R_0402_1005Metric_nolabel]  146.84 59.52 270 top
R5014  4.7k  [R_0402_1005Metric_nolabel]  147.99 59.52 90 top
R5015  330  [R_0402_1005Metric]  120.7 24.57 270 top
R5016  330  [R_0402_1005Metric]  129.54 243.87 90 top
SW1  SW_Push  [SW_SPST_CK_KXT3]  144.69 231.23 90 top
SW101  NA_SW_Push  [SW_MX_choc]  34.06 233.62 180 bottom
SW102  NA_SW_Push  [SW_MX_choc]  34.06 214.62 180 bottom
SW103  NA_SW_Push  [SW_MX_choc]  34.06 195.62 180 bottom
SW104  NA_SW_Push  [SW_MX_choc]  53.06 245.6 180 bottom
SW105  NA_SW_Push  [SW_MX_choc]  53.06 226.6 180 bottom
SW106  NA_SW_Push  [SW_MX_choc]  53.06 207.6 180 bottom
SW107  NA_SW_Push  [SW_MX_choc]  72.09 251.72 180 bottom
SW108  NA_SW_Push  [SW_MX_choc]  72.09 232.72 180 bottom
SW109  NA_SW_Push  [SW_MX_choc]  72.09 213.72 180 bottom
SW112  NA_SW_Push  [SW_MX_choc]  91.06 247.15 180 bottom
SW113  NA_SW_Push  [SW_MX_choc]  91.06 228.15 180 bottom
SW114  NA_SW_Push  [SW_MX_choc]  91.06 209.15 180 bottom
SW115  NA_SW_Push  [SW_MX_choc]  110.06 244.62 180 bottom
SW116  NA_SW_Push  [SW_MX_choc]  110.06 225.62 180 bottom
SW117  NA_SW_Push  [SW_MX_choc]  110.06 206.62 180 bottom
SW118  NA_SW_Push  [SW_MX_choc]  100.34 186.37 165 bottom
SW119  NA_SW_Push  [SW_MX_choc]  120.04 178.07 150 bottom
SW3001  NA_SW_Push  [SW_MX_choc]  79.44 189.41 180 bottom
SW3002  NA_RotaryEncoder_Switch  [RotaryEncoder_Alps_EC11E-Switch_Vertical_H20mm_roundholes]  81.93 181.85 90 bottom
SW5001  SW_Push  [SW_SPST_CK_KXT3]  134.69 60.5 270 top
SW5002  NA_SW_Push  [SW_MX_choc]  34.05 58.11 0 bottom
SW5003  NA_SW_Push  [SW_MX_choc]  34.05 77.11 0 bottom
SW5004  NA_SW_Push  [SW_MX_choc]  34.05 96.11 0 bottom
SW5005  NA_SW_Push  [SW_MX_choc]  100.33 105.36 15 bottom
SW5006  NA_SW_Push  [SW_MX_choc]  53.05 46.14 0 bottom
SW5007  NA_SW_Push  [SW_MX_choc]  53.05 65.14 0 bottom
SW5008  NA_SW_Push  [SW_MX_choc]  53.05 84.14 0 bottom
SW5009  NA_SW_Push  [SW_MX_choc]  120.03 113.66 30 bottom
SW5010  NA_SW_Push  [SW_MX_choc]  72.08 40.01 0 bottom
SW5011  NA_SW_Push  [SW_MX_choc]  72.08 59.01 0 bottom
SW5012  NA_SW_Push  [SW_MX_choc]  72.08 78.01 0 bottom
SW5013  NA_SW_Push  [SW_MX_choc]  79.43 102.33 0 bottom
SW5014  NA_SW_Push  [SW_MX_choc]  91.05 44.59 0 bottom
SW5015  NA_SW_Push  [SW_MX_choc]  91.05 63.59 0 bottom
SW5016  NA_SW_Push  [SW_MX_choc]  91.05 82.59 0 bottom
SW5017  NA_SW_Push  [SW_MX_choc]  110.05 47.11 0 bottom
SW5018  NA_SW_Push  [SW_MX_choc]  110.05 66.11 0 bottom
SW5019  NA_SW_Push  [SW_MX_choc]  110.05 85.11 0 bottom
SW5020  NA_RotaryEncoder_Switch  [RotaryEncoder_Alps_EC11E-Switch_Vertical_H20mm_roundholes]  76.92 109.88 270 bottom
SW5021  SW_SPST  [PushSwitch]  129.55 83.72 0 bottom
SW5022  SW_SPST  [PushSwitch]  129.55 207.49 180 bottom
SW5023  NA_SW_Push  [SW_MX_choc]  34.06 252.62 180 bottom
SW5024  NA_SW_Push  [SW_MX_choc]  53.06 264.6 180 bottom
SW5025  NA_SW_Push  [SW_MX_choc]  72.09 270.72 180 bottom
SW5026  NA_SW_Push  [SW_MX_choc]  91.06 266.15 180 bottom
SW5027  NA_SW_Push  [SW_MX_choc]  110.06 263.62 180 bottom
SW5028  NA_SW_Push  [SW_MX_choc]  15.06 252.62 180 bottom
SW5029  NA_SW_Push  [SW_MX_choc]  15.06 233.62 180 bottom
SW5030  NA_SW_Push  [SW_MX_choc]  15.06 214.62 180 bottom
SW5031  NA_SW_Push  [SW_MX_choc]  15.06 195.62 180 bottom
SW5032  NA_SW_Push  [SW_MX_choc]  15.05 58.11 0 bottom
SW5033  NA_SW_Push  [SW_MX_choc]  15.05 77.11 0 bottom
SW5034  NA_SW_Push  [SW_MX_choc]  15.05 96.11 0 bottom
SW5035  NA_SW_Push  [SW_MX_choc]  34.05 39.11 0 bottom
SW5036  NA_SW_Push  [SW_MX_choc]  53.05 27.14 0 bottom
SW5037  NA_SW_Push  [SW_MX_choc]  72.08 21.01 0 bottom
SW5038  NA_SW_Push  [SW_MX_choc]  91.05 25.59 0 bottom